# Altium PCB radioboard.PcbDoc (part 8 of 9)
Units mm, origin at the board's own origin, x right, y up, seen from the top; angles counter-clockwise.
Board outline 69.97 x 64.48 mm, 4 copper layers (Top Layer, Signal Layer 1, Signal Layer 2, Bottom Layer), stack 1.56 mm thick; 258 components, 165 nets, 993 pads, 10021 vias.
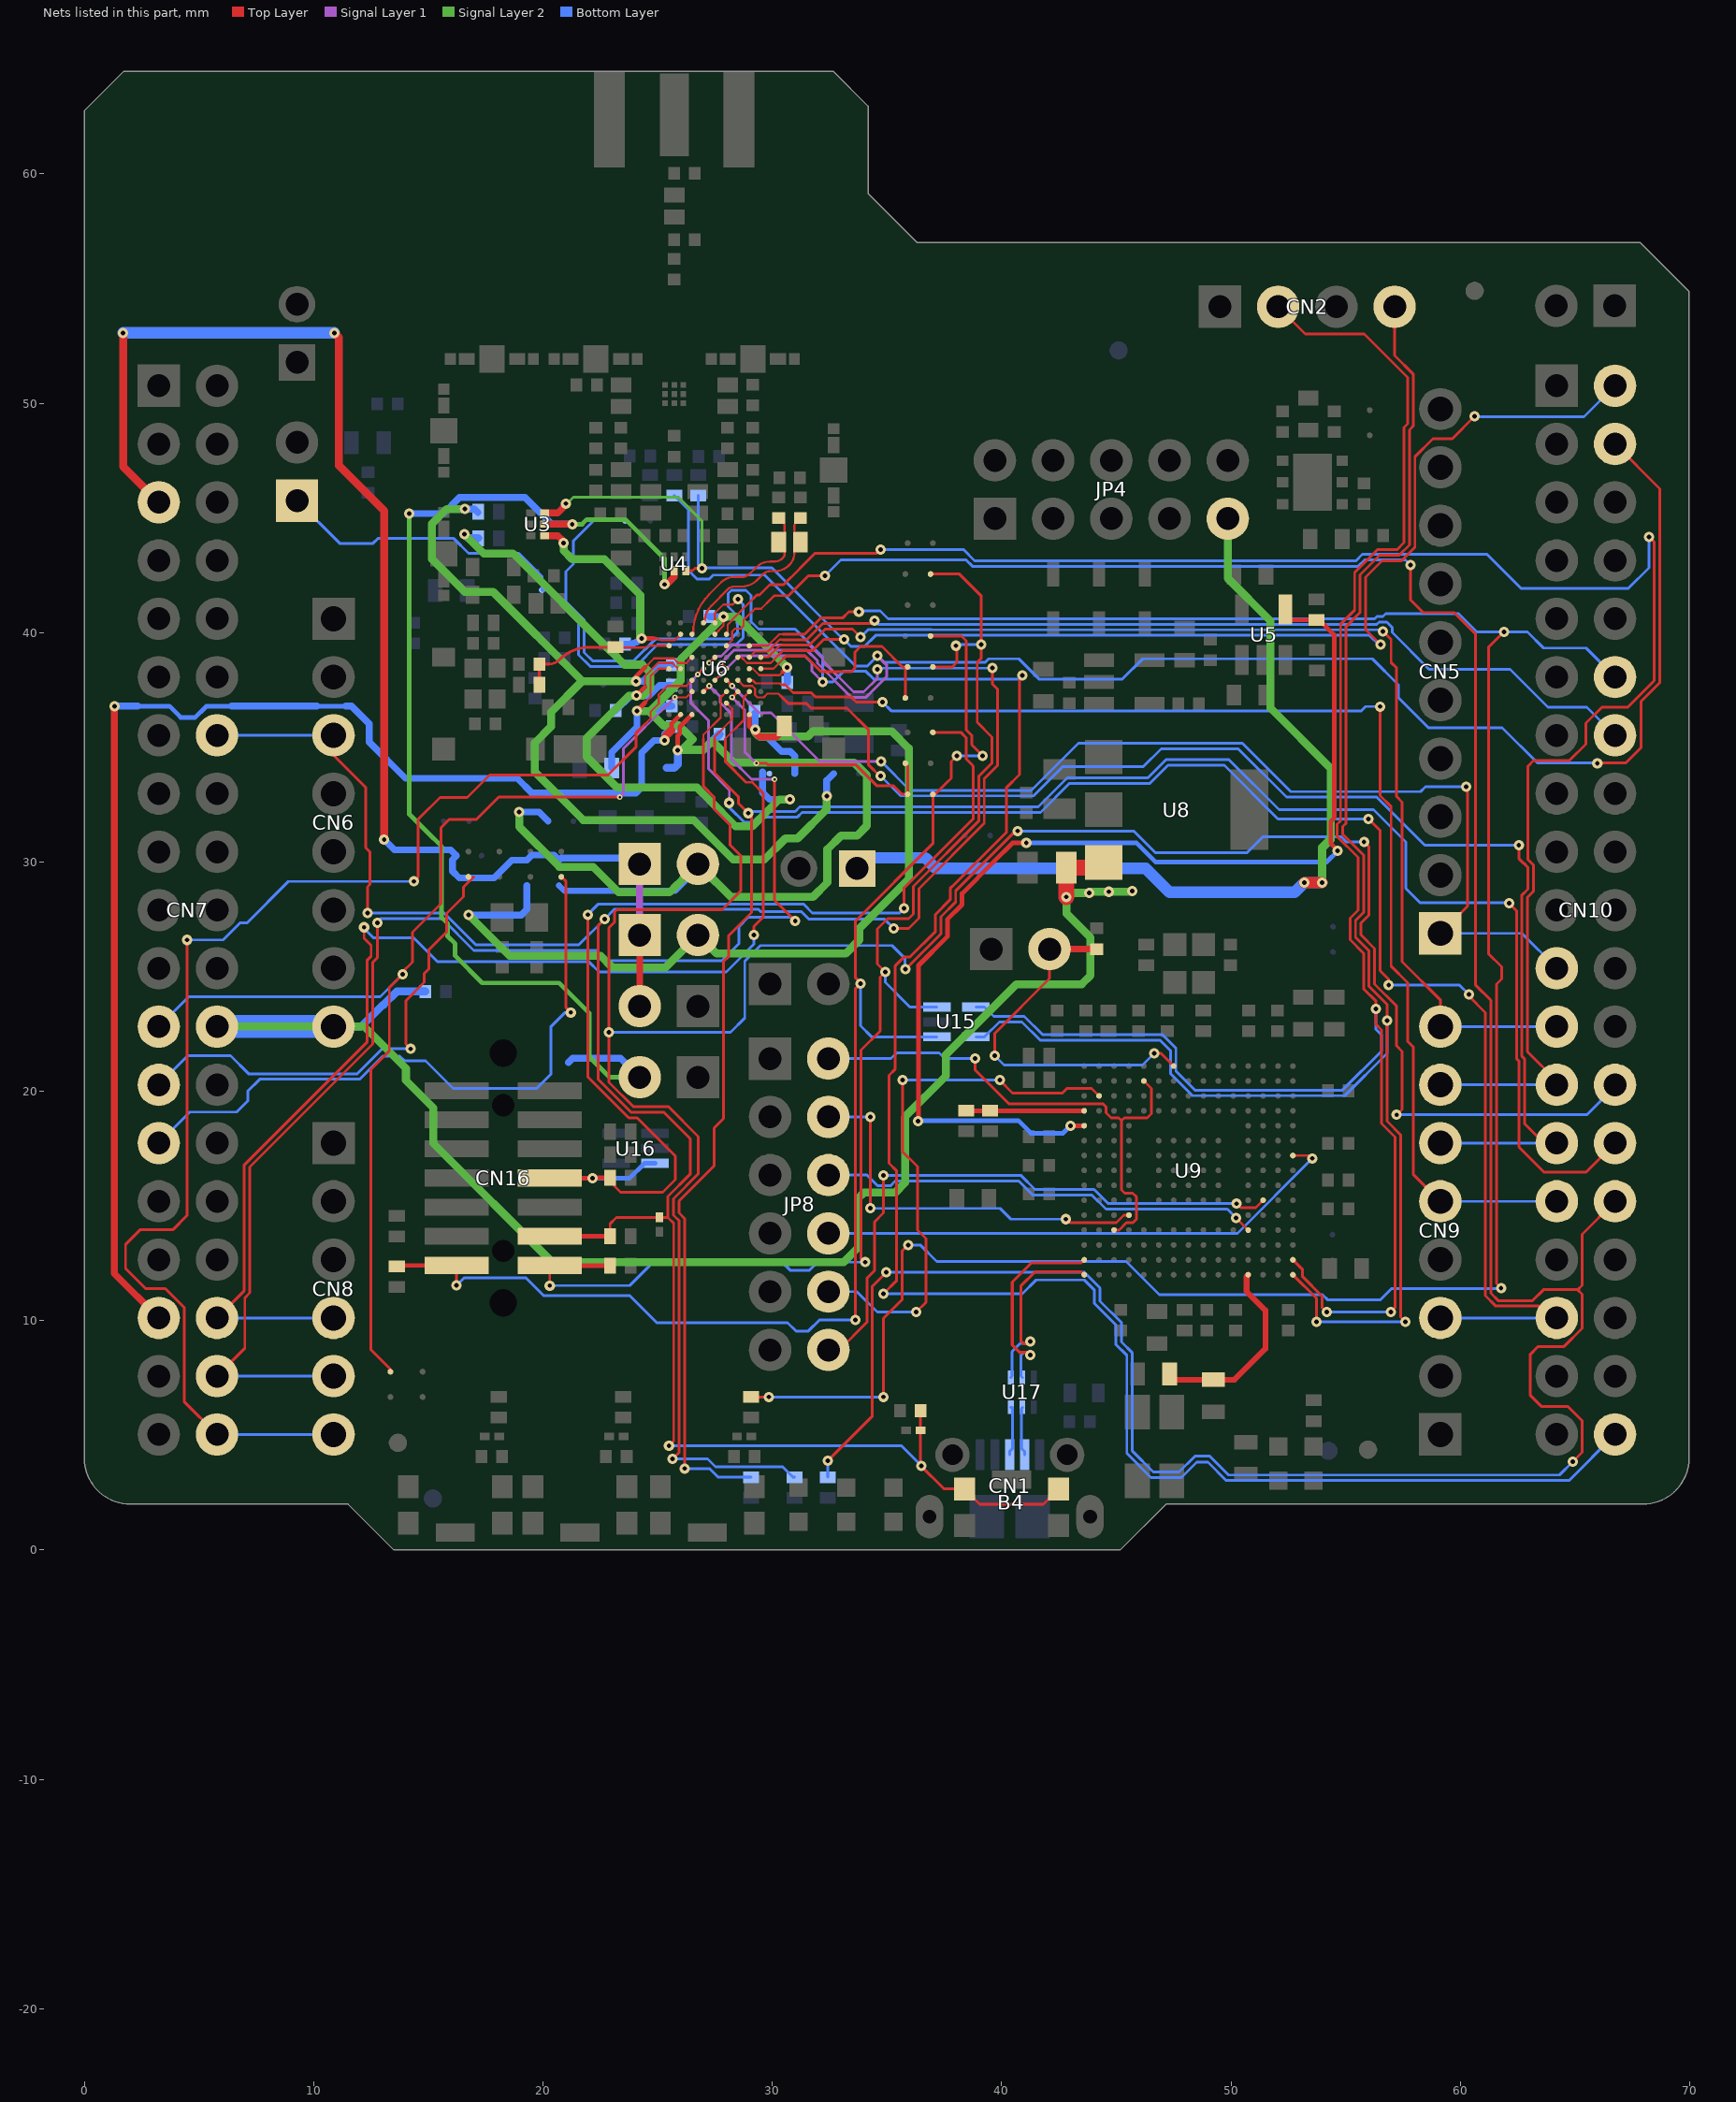
[diagram p10: the nets of this part, all layers, seen from the top]

## Via types
v1: diameter 0.25, hole 0.1, Signal Layer 2 to Bottom Layer, tented bottom, 4578 vias
v2: diameter 0.25, hole 0.1, Top Layer to Signal Layer 1, tented top, 4140 vias
v3: diameter 0.45, hole 0.2, Top Layer to Bottom Layer, tented both sides, 1295 vias
v4: diameter 0.25, hole 0.1, Top Layer to Signal Layer 1, tented both sides, 8 vias

## Nets (pads, with @x,y where several pads share a name; then routed paths per layer and width w, separated by ;. In a path a pad name is that pad's centre, name@x,y a point inside that pad or via, vN(x,y) a via of type N, cw(c..) or ccw(c..) an arc to the next point about the centre after c; other vN are vias at no path point) (continued)
PB4: CN7.34 CN8.4 U6.C2 | length 55.8
  Top Layer w0.09: 27.96,35.362 27.96,35.383 28.75,36.173 28.75,37.175 U6.C2@29,37.425
  Top Layer w0.12: CN7.34@5.787,10.121 6.975,11.309 6.975,16.793 12.341,22.159 12.341,25.725 12.506,25.89 12.506,26.369 12.2,26.675 v3(12.2,27.15) ; 27.96,35.362 27.96,34.365 28.853,33.472 29.125,33.472 29.173,33.423 29.596,33 29.596,27.584 29.2,27.188 v3(29.2,26.813)
  Bottom Layer w0.12: CN7.34@5.787,10.121 CN8.4@10.867,10.121 CN8.4@10.888,10.1 ; v3(12.2,27.15) 12.2,27.1 12.6,26.7 14.349,26.7 15.389,25.66 21.99,25.66 22.443,25.208 27.994,25.208 29.2,26.414 v3(29.2,26.813)
PB5: CN9.5 CN10.29 U6.D2 | length 55.9
  Top Layer w0.09: U6.D2@29,37.925 29.137,37.925 29.277,37.785 30.33,37.785 30.39,37.725 30.468,37.725
  Top Layer w0.12: 30.468,37.725 30.567,37.725 30.912,37.38 31.699,37.38 31.894,37.185 33.448,37.185 33.658,36.975 v3(34.8,36.975) ; v3(56.5,36.775) 56.5,32.892 56.982,32.41 56.982,25.455 57.702,24.735 57.702,22.176 57.942,21.936 57.942,16.386 CN9.5@59.127,15.201
  Bottom Layer w0.12: v3(34.8,36.975) 35.185,36.59 55.69,36.59 55.875,36.775 v3(56.5,36.775) ; CN9.5@59.127,15.201 CN9.5@59.127,15.201 CN10.29@64.207,15.201
PB6: SB6.1 SB7.2 U6.E1 | length 9.5
  Top Layer w0.09: U6.E1@29.5,38.425 30.05,38.425 30.468,38.843
  Top Layer w0.12: 30.468,38.843 30.595,38.97 31.455,38.97 32.125,38.3 33.45,38.3 33.61,38.46 33.61,39.155 33.848,39.392 34.175,39.392 34.783,39.392 35.675,38.5 SB6.1@35.9,38.5 35.8,38.4 SB7.2@35.8,37.15
PB7: SB9.2 SB10.1 U6.C3 | length 12.2
  Top Layer w0.12: v2(28.25,37.175) U6.C3@28.5,37.425 ; v4(29.3,34.3) 29.75,34.3 29.805,34.245 33.63,34.245 34.55,33.325 35.275,33.325 35.65,32.95 SB10.1@35.9,32.95 35.9,34.2 SB9.2@35.8,34.3
  Signal Layer 1 w0.12: v2(28.25,37.175) 28.8,36.625 28.8,34.8 v4(29.3,34.3)
PB8: CN9.6 CN10.27 U6.D3 | length 59.2
  Top Layer w0.09: U6.D3@28.5,37.925 28.75,37.675 29.125,37.675 29.25,37.55 29.25,37.275 29.35,37.175 29.625,37.175 29.782,37.332 30.274,37.332 30.361,37.245
  Top Layer w0.12: 30.361,37.245 30.628,36.978 ; 30.632,36.982 30.714,36.9 31.5,36.9 31.695,36.705 33.25,36.705 34.2,35.755 34.2,34.225 34.7,33.725 v3(34.727,33.752) ; v3(62.55,30.725) 62.55,30.15 62.757,29.943 62.769,29.943 62.948,29.765 62.948,28.817 62.688,28.557 62.688,21.524 62.795,21.417 62.795,18.6 63.654,17.741 CN10.27@64.207,17.741
  Bottom Layer w0.12: v3(34.727,33.752) 35.598,32.88 41.394,32.88 42.664,34.15 46.175,34.15 46.96,34.935 50.315,34.935 52.425,32.825 56.354,32.825 58.454,30.725 v3(62.55,30.725) ; CN9.6@59.127,17.741 CN10.27@64.207,17.741
PB9: CN10.26 R35.1 U6.C4 | length 112.2
  Top Layer w0.09: 27,35.362 27,35.55 27.75,36.3 27.75,37.175 U6.C4@28,37.425
  Top Layer w0.12: v3(25.65,3.975) 25.94,4.265 25.94,14.349 25.69,14.599 25.69,15.317 26.775,16.402 26.775,18.025 25.475,19.325 23.944,19.325 22.875,20.394 v3(22.875,22.575) 22.875,27.127 23.114,27.366 23.114,27.812 23.219,27.917 27.805,27.917 28.62,28.733 28.62,30.282 28.15,30.752 28.15,31.623 27.455,32.318 27.455,32.832 27,33.287 27,35.362 ; v3(35.802,25.326) 35.8,25.328 35.818,25.328 37.355,26.865 37.355,27.614 37.995,28.254 37.995,28.74 39.727,30.473 40.605,31.35 v3(40.7,31.35) ; v3(55.8,30.875) 56.02,30.655 56.02,27.691 55.673,27.344 55.673,26.811 56.262,26.222 56.262,24.669 57.222,23.709 57.222,21.977 57.462,21.737 57.462,19.212 v3(57.225,18.975)
  Bottom Layer w0.12: v3(22.875,22.575) 28.179,22.575 28.8,23.196 28.8,25.675 29.48,26.355 35.225,26.355 35.775,25.805 35.775,25.353 v3(35.802,25.326) ; v3(25.65,3.975) 27.175,3.975 27.525,3.625 30.45,3.625 30.9,3.175 R35.1@30.975,3.175 ; v3(40.7,31.35) 45.754,31.35 46.709,30.395 50.695,30.395 51.395,31.095 54.805,31.095 55.025,30.875 v3(55.8,30.875) ; v3(57.225,18.975) 65.513,18.975 66.747,20.209 CN10.26@66.747,20.281
PB10: CN9.7 CN10.25 U6.H4 | length 78.3
  Top Layer w0.09: U6.H4@28,39.925 28.055,39.98 28.055,40.339 28.25,40.534 28.25,40.559 29.166,41.475
  Top Layer w0.12: 29.166,41.475 29.326,41.635 29.435,41.635 29.519,41.719 29.89,42.09 30.494,42.09 31.191,42.787 31.191,42.791 31.857,43.457 34.557,43.457 v3(34.725,43.625) ; CN10.25@64.207,20.281 64.207,20.451 62.928,21.73 62.928,28.457 63.188,28.717 63.188,29.864 62.955,30.097 62.955,34.18 63.191,34.416 64.752,34.416 65.475,35.139 65.475,36.05 66.175,36.75 67.3,36.75 68.45,37.9 68.45,43.95 v3(68.225,44.175)
  Bottom Layer w0.12: v3(34.725,43.625) 38.33,43.625 38.825,43.13 55.452,43.13 55.732,43.41 61.165,43.41 62.65,41.925 67.325,41.925 68.225,42.825 v3(68.225,44.175) ; CN9.7@59.127,20.281 CN10.25@64.207,20.281
PB11: CN10.30 R34.1 U6.G4 | length 133.4
  Top Layer w0.09: U6.G4@28,39.425 28.25,39.675 28.25,40.05 28.375,40.175 28.625,40.175 28.75,40.3 28.75,40.55 29.136,40.936 ; 29.142,40.93 29.247,41.035 29.514,41.035 29.954,41.475
  Top Layer w0.12: 29.954,41.475 30.014,41.535 30.089,41.61 30.71,41.61 31.577,42.477 v3(32.302,42.477) ; v3(32.425,3.9) 34.365,5.84 34.365,11.5 v3(34.97,12.105) ; v3(57.825,42.95) 57.825,41.425 58.375,40.875 59.725,40.875 60.655,39.945 60.655,24.645 61.335,23.965 61.335,11.19 61.65,10.875 63.15,10.875 63.625,11.35 65.117,11.35 ; v3(64.9,3.85) 65.312,4.262 65.312,5.638 64.7,6.25 63.55,6.25 63.04,6.76 63.04,8.515 63.4,8.875 64.524,8.875 65.312,9.663 65.312,11.155 65.117,11.35 ; CN10.30@66.747,15.201 65.312,13.766 65.312,11.545 65.117,11.35
  Bottom Layer w0.12: v3(32.302,42.477) 32.995,43.17 38.446,43.17 38.726,42.89 55.551,42.89 55.831,43.17 57.605,43.17 v3(57.825,42.95) ; R34.1@32.425,3.175 v3(32.425,3.9) ; v3(34.97,12.105) 43.609,12.105 44.29,11.424 44.29,10.849 45.22,9.919 45.22,9.069 45.7,8.589 45.7,4.314 46.614,3.4 47.738,3.4 48.428,4.09 49.074,4.09 49.894,3.27 64.32,3.27 v3(64.9,3.85)
PB12: CN9.3 CN10.33 U6.E6 | length 70.4
  Top Layer w0.12: v2(26.75,38.175) U6.E6@27,38.425 ; v3(56,31.875) 56.5,31.375 56.5,26.325 ; 56.502,26.325 56.502,25.256 56.878,24.88 v3(56.878,24.626) ; v3(60.375,24.225) 60.375,24.15 61.095,23.43 61.095,11.091 61.551,10.635 63.715,10.635 CN10.33@64.2,10.15
  Signal Layer 1 w0.12: v2(26.75,38.175) 26.45,37.875 26.45,36.925 27.225,36.15 27.225,34.05 28.125,33.15 28.125,32.59 v3(28.11,32.575)
  Bottom Layer w0.12: v3(28.11,32.575) 28.11,32.395 28.784,31.722 29.119,31.722 29.358,31.96 31.1,31.96 31.3,32.16 41.693,32.16 42.963,33.43 46.473,33.43 47.258,34.215 49.71,34.215 52.05,31.875 v3(56,31.875) ; v3(56.878,24.626) 59.974,24.626 v3(60.375,24.225) ; CN9.3@59.127,10.121 CN10.33@64.207,10.121
PB13: CN7.38 CN8.6 U6.D7 | length 59.7
  Top Layer w0.09: 24.45,36.013 24.685,36.248 24.685,36.534 25.045,36.894 25.045,37.295 25.425,37.675 26.25,37.675 U6.D7@26.5,37.925
  Top Layer w0.12: v3(4.475,26.6) 4.475,14.575 3.875,13.975 2.45,13.975 1.8,13.325 1.8,12.275 2.675,11.4 3.531,11.4 4.352,10.579 4.352,6.476 CN7.38@5.787,5.041 ; v3(14.375,29.15) 14.56,29.335 14.56,31.858 14.63,31.928 15.511,32.809 16.701,32.809 17.677,33.785 22.829,33.785 24.05,35.006 24.05,35.613 24.45,36.013
  Bottom Layer w0.12: v3(4.475,26.6) 6.05,26.6 6.788,27.338 7.088,27.338 8.9,29.15 v3(14.375,29.15) ; CN7.38@5.787,5.041 CN8.6@10.867,5.041
PB14: CN7.36 CN8.5 U6.C6 | length 60.7
  Top Layer w0.12: CN7.36@5.787,7.581 7,8.794 7,10.995 7.215,11.21 7.215,16.694 12.581,22.059 12.581,25.626 12.776,25.821 v3(12.776,27.351) ; U6.C6@27,37.425 v2(27.25,37.675) ; v4(30.1,33.6) 30.1,28.323 v3@30.948,27.475 ; v3@30.948,27.372 v3@30.948,27.475 ; v3(31,27.423) v3@30.948,27.475
  Signal Layer 1 w0.12: v2(27.25,37.675) 27.725,37.2 27.725,36.95 28.225,36.45 28.225,34.471 29.096,33.6 v4(30.1,33.6)
  Bottom Layer w0.12: CN7.36@5.787,7.581 CN8.5@10.867,7.581 ; 12.91,27.535 15.59,27.535 16.985,26.14 22.322,26.14 22.775,25.688 27.795,25.688 28.537,26.43 28.537,27.175 28.95,27.588 29.669,27.588 ; 29.67,27.588 30.474,27.588 30.835,27.588 v3(31,27.423)
PB15: CN10.28 R36.1 U6.B4 | length 92.7
  Top Layer w0.09: 27.48,35.362 27.48,35.455 28.25,36.225 28.25,36.675 U6.B4@28,36.925
  Top Layer w0.12: v3(26.18,3.555) 26.18,14.449 25.93,14.699 25.93,15.218 27.463,16.75 27.463,18.4 27.875,18.812 27.875,25.661 28.104,25.89 28.104,26.793 29.1,27.789 29.1,31.978 v3(28.951,32.127) 28.515,32.563 28.515,32.85 27.48,33.885 27.48,35.362 ; v3(62.125,28.2) 62.448,27.877 62.448,21.425 62.555,21.318 62.555,17.57 63.65,16.475 65.481,16.475 CN10.28@66.747,17.741
  Bottom Layer w0.12: v3(26.18,3.555) 27.256,3.555 27.636,3.175 R36.1@29.075,3.175 ; v3@29,32.2 31,32.2 31.2,32.4 41.593,32.4 42.863,33.67 46.374,33.67 47.159,34.455 49.92,34.455 52.095,32.28 56.22,32.28 57.625,30.875 57.625,28.844 58.244,28.225 v3@62.125,28.225
PC0: CN10.14 U6.F2 | length 40.7
  Top Layer w0.09: U6.F2@29,38.925 29.25,39.175 29.807,39.175 30.322,39.69 30.468,39.69
  Top Layer w0.12: 30.468,39.69 31.505,39.69 32.207,40.392 34.317,40.392 v3(34.452,40.527)
  Bottom Layer w0.12: v3(34.452,40.527) 34.617,40.362 56.365,40.362 56.46,40.457 56.796,40.457 57.033,40.22 57.033,40.003 58.636,38.4 62.175,38.4 63.825,36.75 65.518,36.75 CN10.14@66.747,35.521
PC1: CN9.8 CN10.23 U6.F1 | length 51.3
  Top Layer w0.09: U6.F1@29.5,38.925 29.811,38.925 30.336,39.45 30.468,39.45
  Top Layer w0.12: 30.468,39.45 31.605,39.45 32.307,40.152 33.502,40.152 v3(33.852,39.802) ; v3(56.628,40.052) 56.982,39.699 56.982,38.697 57.222,38.457 57.222,32.849 57.462,32.609 57.462,25.653 59.127,23.988 CN9.8@59.127,22.821
  Bottom Layer w0.12: v3(33.852,39.802) 34.172,40.122 36.95,40.122 36.952,40.12 56.56,40.12 v3(56.628,40.052) ; CN9.8@59.123,22.825 CN9.8@59.127,22.821 CN10.23@64.207,22.821
PC2: CN5.1 CN10.21 U6.D4 | length 48.7
  Top Layer w0.12: U6.D4@28,37.925 v2(28.25,37.675) ; CN5.1@59.127,26.885 60.312,28.07 60.312,33.213 v3(60.25,33.275)
  Signal Layer 1 w0.12: v2(28.25,37.675) 29.425,36.5 29.95,36.5 32.075,34.375 v3(34.75,34.375)
  Bottom Layer w0.12: v3(34.75,34.375) 36.005,33.12 41.295,33.12 43.35,35.175 50.5,35.175 52.61,33.065 58.265,33.065 58.475,33.275 v3(60.25,33.275) ; CN5.1@59.127,26.885 62.683,26.885 CN10.21@64.207,25.361
PC3: CN10.38 SB18.2 U6.D5 | length 109.5
  Top Layer w0.12: U6.D5@27.5,37.925 v2(27.75,38.175) ; v3(34.85,11.175) 35.425,11.75 35.425,16.525 35.087,16.863 35.087,20.7 35.362,20.975 35.362,25.475 35.749,25.862 36.013,25.862 37.115,26.965 37.115,27.713 37.755,28.353 37.755,28.84 37.945,29.03 40.2,31.285 40.2,33.228 40.782,33.81 40.782,38.007 v3(40.902,38.127)
  Signal Layer 1 w0.12: v2(27.75,38.175) 28.56,38.985 31.413,38.985 31.725,38.673 31.725,38.325 v3(32.2,37.85)
  Bottom Layer w0.12: SB18.2@23.575,44.875 22.202,44.875 21.325,43.998 21.325,42.987 21,42.663 21,41.35 21.795,40.555 21.795,39.134 22.167,38.762 23.947,38.762 24.901,39.715 28.19,39.715 28.475,40 28.475,40.725 28.075,41.125 28.075,41.7 28.22,41.845 28.85,41.845 29.075,41.62 29.075,40.475 29.4,40.15 31,40.15 32.2,38.95 v3(32.2,37.85) 32.647,37.85 33.104,38.307 34.083,38.307 34.414,37.975 v3@40.829,37.975 ; v3(34.85,11.175) 40.9,11.175 41.5,11.775 43.6,11.775 44.05,11.325 44.05,10.75 44.98,9.82 44.98,8.98 44.975,8.975 45.46,8.49 45.46,4.215 46.515,3.16 47.837,3.16 48.507,3.83 48.995,3.83 49.795,3.03 64.736,3.03 CN10.38@66.747,5.041
PC4: CN10.2 R27.1 U3.6 U4.6 U6.F3 | length 70
  Top Layer w0.09: U6.F3@28.5,38.925 28.646,38.925 28.896,38.675 29.93,38.675 30.465,39.21 30.468,39.21
  Top Layer w0.12: U4.6@26.225,42.7 26.525,42.7 26.625,42.8 v3(26.925,42.8) ; 30.468,39.21 31.76,39.21 32.25,39.7 v3(33.125,39.7) ; v3(56.528,39.477) 55.87,40.135 55.87,42.418 56.582,43.13 57.432,43.13 58.022,43.72 58.022,47.663 58.809,48.45 59.65,48.45 v3(60.625,49.425) ; v3@56.579,39.528 v3@56.605,39.502
  Top Layer w0.3: U3.6@20.075,45.225 20.65,45.225 v3@21.025,45.6
  Signal Layer 2 w0.12: v3@21.025,45.6 21.325,45.9 25.9,45.9 26.925,44.875 v3(26.925,42.8)
  Bottom Layer w0.12: R27.1@26.775,45.975 26.775,42.95 v3(26.925,42.8) 26.942,42.817 29.979,42.817 v3@33.096,39.7 ; v3(33.125,39.7) 33.428,39.397 34.022,39.397 34.505,39.88 56.045,39.88 56.448,39.477 v3(56.528,39.477) ; v3(60.625,49.425) 60.644,49.406 65.392,49.406 CN10.2@66.747,50.761
  other v3: 21,45.625
PC5: CN10.4 R28.1 U6.E4 | length 75.1
  Top Layer w0.12: v2(27.75,38.675) U6.E4@28,38.425 ; v3(65.975,34.3) 66,34.325 67.225,34.325 67.875,34.975 67.875,36.986 68.702,37.813 68.702,46.266 CN10.4@66.747,48.221
  Signal Layer 1 w0.12: v2(27.75,38.675) 27.769,38.675 28.319,39.225 31.512,39.225 31.965,38.772 31.965,38.658 33.443,37.18 34.092,37.18 34.982,38.07 34.982,38.593 v3(34.588,38.987)
  Bottom Layer w0.12: R28.1@25.725,45.975 26.35,45.35 26.35,42.7 26.725,42.325 27.238,42.325 27.418,42.505 29.668,42.505 33.626,38.547 34.148,38.547 v3(34.588,38.987) 34.863,38.712 39.289,38.712 39.434,38.857 40.745,38.857 41.627,37.975 45.268,37.975 46.15,38.857 56.168,38.857 57.299,37.726 57.299,37.16 58.609,35.85 61.825,35.85 63.35,34.325 v3@65.975,34.325
PC6: CN10.12 R23.2 U6.G2 | length 109
  Top Layer w0.09: U6.G2@29,39.425 29.802,39.425 30.307,39.93 30.468,39.93
  Top Layer w0.12: R23.2@29.075,6.675 v3(29.85,6.675) ; 30.468,39.93 31.406,39.93 32.108,40.632 33.066,40.632 33.334,40.9 v3(33.775,40.9) ; v3(34.85,6.675) 34.85,10.1 35.665,10.915 35.665,13.04 v3(35.925,13.3) ; v3(61.775,11.425) 61.575,11.625 61.575,24.675 61.8,24.9 61.8,25.425 61.225,26 61.225,39.35 v3(61.9,40.025)
  Bottom Layer w0.12: v3(29.85,6.675) v3(34.85,6.675) ; v3(33.775,40.9) 33.82,40.945 34.707,40.945 35.05,40.602 56.266,40.602 56.361,40.697 56.62,40.697 56.749,40.825 59.925,40.825 60.725,40.025 v3(61.9,40.025) 62.925,40.025 63.625,39.325 65.483,39.325 CN10.12@66.747,38.061 ; v3(35.925,13.3) 36.45,13.3 37.165,12.585 45.429,12.585 46.882,11.132 53.993,11.132 54.225,10.9 56.5,10.9 57,11.4 61.775,11.4 v3(61.775,11.425)
PC13: CN7.23 SB15.2 U6.C7 | length 51.3
  Top Layer w0.09: v2(25.75,37.175) 26.25,37.175 U6.C7@26.5,37.425
  Top Layer w0.12: SB15.2@13.35,7.775 13.35,7.875 12.49,8.735 12.49,20.951 13.301,21.761 13.301,24.526 v3(13.875,25.1) 13.875,25.202 14.305,25.632 14.305,26.939 15.55,28.184 15.55,31.49 15.908,31.849 17.098,31.849 18.074,32.825 v2@23.229,32.825
  Signal Layer 1 w0.09: 24.45,35.875 v2(25.75,37.175)
  Signal Layer 1 w0.12: v2(23.35,32.825) 23.5,32.975 23.5,34.925 24.45,35.875
  Bottom Layer w0.12: CN7.23@3.247,22.821 4.551,24.125 12.9,24.125 v3(13.875,25.1)
PC14: CN7.25 SB11.1 | length 21.1
  Top Layer w0.12: v3(14.225,21.85) 14.021,22.054 14.021,23.948 14.824,24.751 14.824,25.133 15.025,25.334 15.025,26.174 15.807,26.956 15.807,27.298 15.8,27.304 15.8,27.755 16.53,28.485 16.53,28.9 16.98,29.35 ; v3@14.273,21.898 v3@14.296,21.875
  Bottom Layer w0.12: CN7.25@3.247,20.281 4.516,21.55 6.375,21.55 7.16,20.765 11.905,20.765 12.99,21.85 v3(14.225,21.85)
PC15: CN7.27 SB14.1 | length 29
  Top Layer w0.12: SB14.1@20.8,29.35 21.005,29.145 21.005,23.645 v3(21.213,23.437)
  Bottom Layer w0.12: CN7.27@3.247,17.741 4.602,19.096 6.646,19.096 7.125,19.575 7.125,20 7.65,20.525 12.005,20.525 13.017,21.538 13.762,21.538 13.97,21.33 14.883,21.33 16.088,20.125 19.725,20.125 20.338,20.738 20.338,22.809 20.967,23.437 v3(21.213,23.437)
PH3: JP3.1 SB19.1 U6.J5 | length 27.8
  Top Layer w0.09: U6.J5@27.5,40.425 27.49,40.435 27.49,40.849 27.866,41.225 28.275,41.225 v3(28.5,41.45)
  Bottom Layer w0.12: JP3.1@9.275,45.75 11.135,43.89 12.591,43.89 12.801,44.1 16.113,44.1 16.76,43.452 18.948,43.452 19.95,42.45 SB19.1@19.95,41.85 20.15,41.85 21.555,40.445 21.555,39.034 22.068,38.522 24.047,38.522 25,39.475 28.425,39.475 28.725,39.775 28.725,41.225 v3(28.5,41.45)
RFI_N: C19.2 L11.1 U6.H7 | length 7.7
  Top Layer w0.097: U6.H7@26.5,39.925 26.549,39.973 cw(c28.948,39.973) 27.251,41.67 27.78,42.199 cw(c28.325,41.655) 28.325,42.425 28.655,42.425 ccw(c28.655,42.97) 29.041,42.584 29.303,42.847 ; 29.303,42.847 cw(c29.914,42.236) 29.914,43.1 30.123,43.1 ccw(c30.123,43.527) 30.425,43.225 30.462,43.262 ccw(c30.274,43.45) 30.54,43.45 ccw(c29.973,43.45) 30.374,43.851 L11.1@30.275,43.95 30.338,44.013 ccw(c29.852,44.5) 30.54,44.5 30.54,44.625 ccw(c30.274,44.625) 30.462,44.813 C19.2@30.275,45
RFI_P: C20.1 L11.2 U6.J6 | length 7.2
  Top Layer w0.097: U6.J6@27,40.425 27.049,40.473 cw(c28.014,40.473) 27.331,41.156 28.077,41.902 cw(c28.325,41.655) 28.325,42.005 28.655,42.005 ccw(c28.655,42.97) 29.338,42.287 29.6,42.55 cw(c29.914,42.236) 29.914,42.68 30.123,42.68 ccw(c30.123,43.527) 30.722,42.928 30.759,42.965 ccw(c30.274,43.45) 30.96,43.45 cw(c31.527,43.45) 31.126,43.851 L11.2@31.225,43.95 31.162,44.013 cw(c31.648,44.5) 30.96,44.5 30.96,44.625 cw(c31.226,44.625) 31.038,44.813 C20.1@31.225,45
STD_ALONE_5V: CN11.1 JP4.9 | length 41.1
  Top Layer w0.5: v3(53.2,29.1) v3(53.975,29.1)
  Signal Layer 2 w0.35: JP4.9@49.862,44.966 49.862,42.363 51.725,40.5 51.725,36.7 54.35,34.075 54.35,30.975 53.975,30.6 ; v3(53.2,29.1) v3(53.975,29.1) 53.975,30.6 ; 54.33,30.995 53.975,30.64 53.975,30.6
  Bottom Layer w0.5: CN11.1@34.3,30.175 36.675,30.175 37.135,29.715 ; 37.75,29.715 37.135,29.715 ; v3(53.975,29.1) v3(53.2,29.1) 52.775,28.675 47.325,28.675 46.285,29.715 37.135,29.715
STLK_LED: R19.2 R20.2 U9.D15 | length 8.4
  Top Layer w0.25: R19.2@47.325,7.675 47.575,7.425 R20.2@49.225,7.425 50.15,7.425 51.5,8.775 51.5,10.45 50.68,11.27 50.68,11.93 U9.D15@50.75,12
STLK_NRST: C41.2 JP6.2 U9.J1 | length 16.1
  Top Layer w0.12: v3(39.7,21.55) 39.7,22.525 42.09,24.915 JP6.2@42.09,26.2 ; v3(46.65,21.65) 46.95,21.65 U9.J1@47.5,21.1
  Top Layer w0.3: JP6.2@42.09,26.2 C41.2@44.14,26.2
  Bottom Layer w0.12: v3(39.7,21.55) 40.105,21.145 46.145,21.145 v3(46.65,21.65)
STLK_SWCLK: CN2.2 U9.A14 U15.4 | length 79
  Top Layer w0.12: CN2.2@52.057,54.205 53.242,53.02 55.805,53.02 57.702,51.123 57.702,49.102 57.542,48.942 57.542,43.919 57.233,43.61 56.383,43.61 55.39,42.617 55.39,40.975 54.78,40.365 54.78,31.792 54.63,31.642 54.63,31.108 55.54,30.198 55.54,27.89 55.193,27.543 55.193,26.612 55.782,26.023 55.782,24.47 56.325,23.927 v3(56.325,23.6) 56.325,22.913 56.563,22.675 56.563,18.598 57.16,18.001 57.16,10.558 v3(56.978,10.376) ; U9.A14@52.7,12.65 53.125,12.225 53.125,11.914 53.965,11.074 53.965,10.585 v3(54.175,10.375)
  Bottom Layer w0.12: U15.4@38.875,23.675 39.25,23.675 39.66,23.265 40.985,23.265 41.785,22.465 47.01,22.465 47.6,21.875 47.6,20.875 48.425,20.05 54.863,20.05 56.563,21.75 56.563,22.462 56.325,22.7 v3(56.325,23.6) ; v3(54.175,10.375) v3(56.978,10.376)
STLK_SWDIO: CN2.4 U9.A15 U15.5 | length 76.4
  Top Layer w0.12: U9.A15@52.7,12 53.725,10.975 v3(53.725,9.95) ; CN2.4@57.137,54.205 57.137,52.077 57.942,51.272 57.942,49.003 57.782,48.843 57.782,43.819 57.333,43.37 56.483,43.37 55.63,42.517 55.63,40.876 55.02,40.266 55.02,31.693 54.87,31.543 54.87,31.207 55.78,30.297 55.78,27.791 55.433,27.443 55.433,26.711 56.022,26.122 56.022,24.57 56.803,23.789 v3(56.803,23.076) 56.803,18.697 57.4,18.1 57.4,10.15 v3(57.6,9.95)
  Bottom Layer w0.12: U15.5@38.875,22.375 39.25,22.375 39.9,23.025 40.886,23.025 41.686,22.225 46.911,22.225 47.36,21.776 47.36,20.776 48.326,19.81 54.962,19.81 56.803,21.651 v3(56.803,23.076) ; v3(53.725,9.95) v3(57.6,9.95)
STLK_VCP_RX: JP8.12 U9.C10 | length 26.1
  Top Layer w0.12: JP8.12@32.445,8.725 32.925,8.725 34.125,9.925 34.125,11.85 34.457,12.182 34.457,14.307 34.85,14.7 v3(34.85,16.325) ; v3(50.25,15.1) 50.425,14.925 51.075,14.925 U9.C10@51.4,15.25